# Allegro board DISCOVERY-F030_BOOSTPACK.brd (continued)
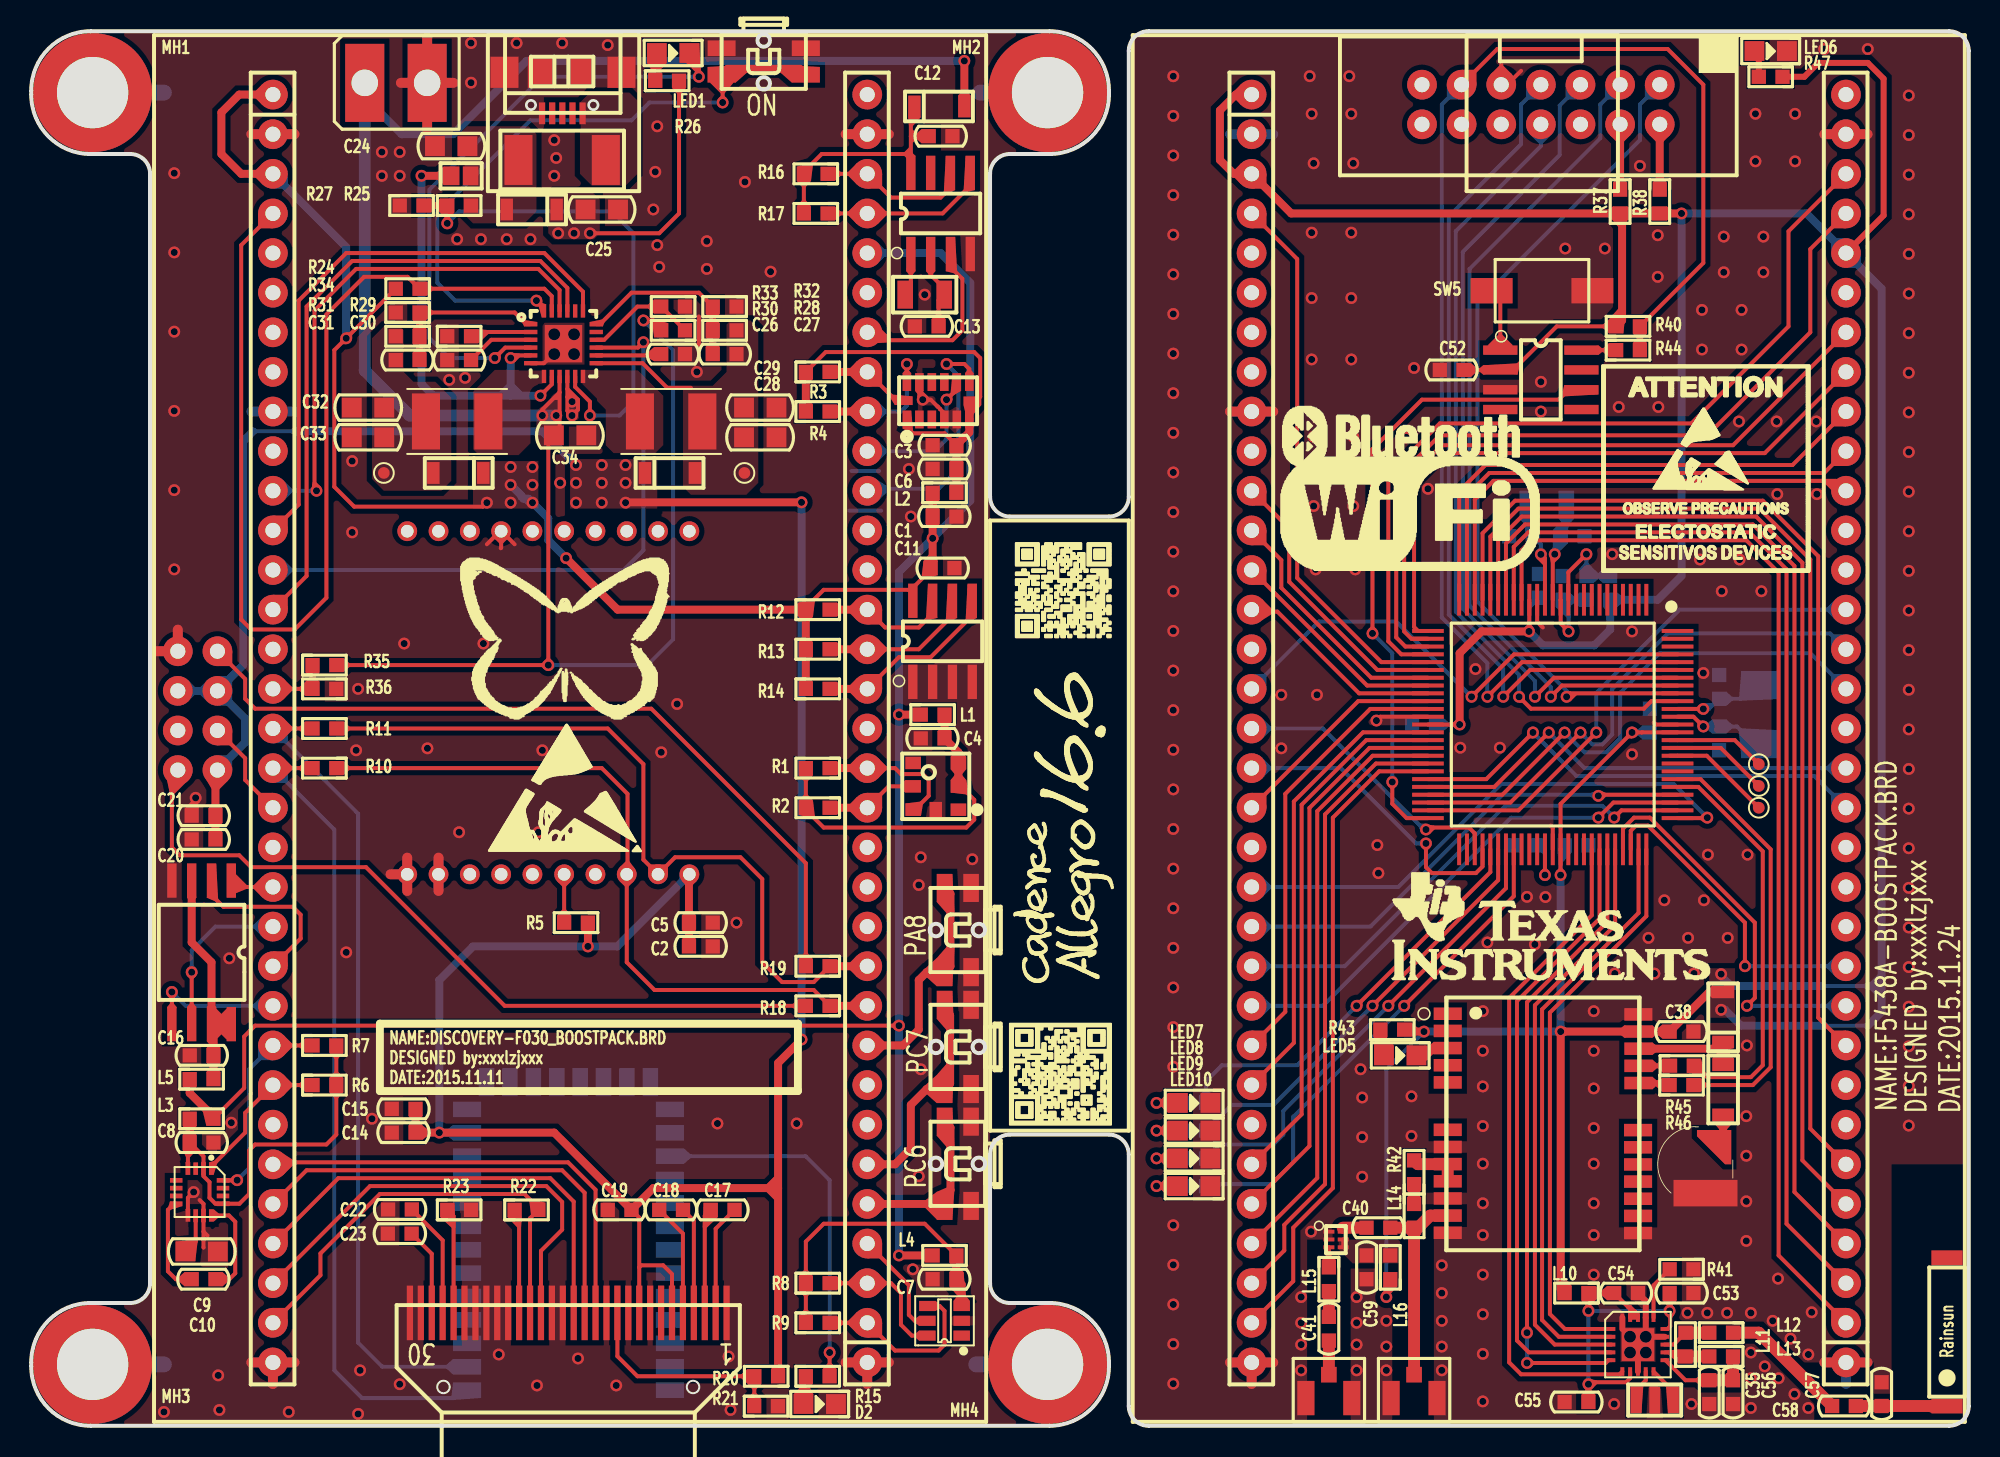
[diagram p0: board, top side]
## Routing (per net, layer and track width the routed paths; a pad name or vN(x,y) marks a point on that pad's centre or on a via; arc(x,y) is an arc through that point) (continued)
XOUT: length 6.6
  TOP w0.254: U14.14 97.04,55.62 96.78,55.87 v1(96.77,55.87)
  BOTTOM w0.254: v1(96.77,55.87) 96.77,56.52 C43.1 95.9,57.38 X3.1
N8541817: length 19.6
  TOP w0.254: L4.2 57.28,12.95 50.8,12.95 49.66,11.81 R8.2 R9.2
  TOP w0.508: L4.2 C7.1 59.65,9.06 U5.3
N8542009: length 28
  TOP w0.254: R3.2 50.93,68.83 60.45,68.83 60.83,68.45 60.83,65.97 60.58,65.72 U3.7 ; C3.2 58.55,63.63 56.52,63.63 56.13,64.01 U3.1
  TOP w0.508: R3.2 R4.2 ; U3.7 60.13,65.52 U3.6 60.13,63.69 C3.2 C6.1 L2.1
N8544982: length 2.8
  TOP w0.254: U9.1 56.39,72.88 X1.2
N8545002: length 5.1
  TOP w0.254: C13.2 58.17,72.16 X1.1 58.53,72.92 57.66,73.79 U9.2
N8545114: length 15.5
  TOP w0.254: 56.39,81.53 56.39,82.68 ; 56.39,81.53 50.67,81.53 49.53,80.39 R16.1 R17.1 ; 56.39,81.53 U9.8 ; 56.39,82.68 56.39,84.35 D1.2 ; 56.39,82.68 C12.1
N8545523: length 14.6
  TOP w0.508: U10.3 10.29,30.99 11.56,29.72 U10.7 ; U10.7 11.68,25.63 C16.2 L5.1 ; U10.7 12.83,25.75
N8546037: length 21.8
  TOP w0.254: R1.1 R2.1 49.66,39.5 50.8,38.35 59.94,38.35 60.45,38.86 60.45,40.13 59.59,41 U2.2
  TOP w0.508: U2.2 U2.3 59.44,43.18 C4.1 L1.1
N8546671: length 6.4
  TOP w0.254: U6.8 9.16,14.24 8.76,13.84 8.76,9.91 9.27,9.4 C10.2
N8546679: length 6.4
  TOP w0.254: U6.12 12.68,13.49 13.08,13.08 13.08,9.78 12.7,9.4 C10.1
N8546727: length 2.6
  TOP w0.254: C9.1 9.91,11.18 10.54,11.81 U6.10
N8546787: length 24.8
  TOP w0.254: R7.1 R6.1 19.56,18.67 18.92,18.03 14.35,18.03 13.97,17.65 13.97,14.86 13.35,14.24 U6.13 11.81,14.24 11.43,14.62 11.43,15.62 11.05,16.01 U6.2 11.05,17.28 C8.1 10.04,18.05 U6.4
  TOP w0.508: C8.1 L3.2
N8574671: length 7.2
  TOP w0.254: U13.16 36.73,69.62 38.86,71.75 R33.1 R30.2
N8574887: length 32.4
  TOP w0.254: U13.11 34.87,66.6 35.81,65.66 v1(35.81,64.77) ; v1(26.67,77.09) R25.2 R27.1
  BOTTOM w0.254: v1(26.67,77.09) 27.43,77.85 37.21,77.85 38.61,76.45 38.61,65.66 37.72,64.77 v1(35.81,64.77)
N8575029: length 4.4
  TOP w0.254: C30.2 29.49,69.62 U13.3
N8575065: length 3.9
  TOP w0.254: U13.2 28.47,70.12 R29.1
N8575169: length 28.5
  TOP w0.254: U13.8 33.37,66.77 v1(32.64,66.04) ; U13.5 30.9,68.62 v1(30.73,68.45)
  TOP w0.508: J1.2 v1(25.02,80.14)
  BOTTOM w0.508: v1(30.73,68.45) 30.73,66.04 ; 30.73,66.04 v1(32.64,66.04) ; 30.73,66.04 25.78,66.04 25.02,66.8 v1(25.02,80.14)
N8575189: length 11.7
  TOP w0.254: C27.1 R28.2 R32.1 42.8,72.64 38.48,72.64 36.46,70.62 U13.18
N8575237: length 38.9
  TOP w0.254: U13.4 30.39,69.12 v1(29.72,68.45) ; v1(42.8,86.49) 42.8,87.4 LED1.2
  BOTTOM w0.254: v1(42.8,86.49) 32.77,86.49 25.53,79.25 25.53,69.72 26.8,68.45 v1(29.72,68.45)
N8575265: length 1.8
  TOP w0.254: LED1.1 40,87.91 R26.2
N8575479: length 40.9
  TOP w0.254: v1(32.38,72.14) 32.87,71.65 U13.24 ; SW4.2 44.32,86.55 v1(44.32,84.84)
  TOP w0.508: SW4.2 44.64,87 49.28,87 SW4.1
  BOTTOM w0.254: v1(32.38,72.14) 27.18,72.14 26.04,73.28 26.04,77.72 32,83.69 38.48,83.69 39.62,84.84 v1(44.32,84.84)
N8575699: length 6.7
  TOP w0.254: U13.13 39.19,68.12 40.77,66.55 42.29,66.55
N8575711: length 10.5
  TOP w0.254: U13.1 31.74,70.62 30.99,71.37 R34.1 R31.2 C31.1
N8575985: length 4.2
  TOP w0.254: C26.2 40.3,68.62 U13.14
N8643747: length 3.1
  TOP w0.254: U4.5 R5.1
N8643947: length 23.5
  TOP w0.254: v1(51.18,4.7) R15.1
  BOTTOM w0.254: v1(51.18,4.7) 51.18,15.75 49.64,17.29 U7.24
N8644147: length 1.8
  TOP w0.254: R15.2 49.66,1.55 D2.1
N8647187: length 7.1
  TOP w0.254: C17.1 43.88,12.64 U11.2
N8647191: length 6.8
  TOP w0.254: C17.2 43.18,13.46 U11.3
N8647195: length 6.9
  TOP w0.254: U11.4 42.48,13.15 C18.1
N8647199: length 7.2
  TOP w0.254: U11.5 41.78,12.32 C18.2
N8647463: length 7.4
  TOP w0.254: C22.2 26.38,11.89 U11.27
N8647467: length 5.6
  TOP w0.254: C23.2 25.68,11.03 U11.28
N8651735: length 6.8
  TOP w0.254: U11.26 27.08,13.44 R23.2
N8655683: length 6.7
  TOP w0.254: R22.2 31.28,13.55 U11.20
N10945329: length 3.8
  TOP w0.254: U14.62 v1(97.04,35.31)
  BOTTOM w0.254: v1(97.04,35.31) 97.04,36.69 C45.1
N10946051: length 6.3
  TOP w0.254: U14.11 98.54,54.72 v1(99.7,55.88)
  BOTTOM w0.254: v1(99.7,55.88) C46.2 L8.2
N10946055: length 6
  TOP w0.254: v1(98.55,50.93) 98.04,51.44 98.04,52.95 U14.12
  BOTTOM w0.254: 99.7,52.96 98.17,52.96 98.55,52.58 v1(98.55,50.93)
N10961869: length 25.2
  TOP w0.254: 103,6.99 103,7.11 102.77,7.34 ; 103,6.98 U17.18 102.56,6.93 ; 103,6.99 102.37,7.61 ; 103,6.98 102.81,7.18 ; v1(99.82,7.37) L10.2 C54.2 102.37,7.61 ; 102.81,7.18 102.7,7.28 ; 102.81,7.18 102.56,6.93 ; 102.7,7.28 102.77,7.34 ; 102.7,7.28 102.5,7.07 ; 102.37,7.61 102.5,7.61 ; 102.5,7.61 102.77,7.34 ; 102.5,7.61 102.5,7.07 ; C55.1 v1(99.82,2.67) 99.95,2.79 102.23,2.79 102.5,3.06 U17.7 ; 102.56,6.93 U17.19 102.5,7.07 ; C53.1 v1(105.03,7.37) 105.07,7.33 105.07,6.39 104.89,6.21 U17.15
  BOTTOM w0.254: v1(105.03,7.37) v1(99.82,7.37) v1(99.82,2.67)
N10962053: length 3.5
  TOP w0.254: R41.1 104,9 U17.16
N10962111: length 2.1
  TOP w0.254: X4.1 102.87,2.29 103.5,2.91 U17.9
N10962119: length 2.4
  TOP w0.254: U17.10 105.27,2.21 X4.3
N10962271: length 3.2
  TOP w0.254: L11.1 105.28,5.21 U17.13
  TOP w0.762: L12.1 L11.1
N10962295: length 3
  TOP w0.254: U17.12 105.78,4.71 L11.2
  TOP w0.762: L13.1 L11.2
N10962327: length 6.4
  TOP w0.254: U17.11 104.76,4.21 106.05,2.92 C35.1
  TOP w0.762: C35.1 C56.1 L13.2
N10962419: length 9.2
  TOP w0.254: C58.1 118.59,1.24 ; 118.59,1.24 118.56,1.27 ; 118.59,1.24 121.82,1.24
  TOP w0.762: ANT1.1 122.78,1.24 121.82,1.24 121.79,1.27 C58.1 C57.2
N10963444: length 3.4
  TOP w0.762: U18.9 U18.8 88.89,16.78 R42.1
N10963506: length 13.4
  TOP w0.762: U18.11 89.68,13.48 88.9,12.7 L14.1 ; C40.1 L14.1 ; L14.1 IPX1.1
N10963546: length 1.8
  TOP w0.254: 84.07,12.7 84.1,12.67 U19.6
  TOP w0.762: 84.07,12.7 C40.2
N10963554: length 0.5
  TOP w0.254: U19.5 U19.4
N10963670: length 7.5
  TOP w0.508: 108.02,24.18 U18.22 ; 108.02,24.18 D6.2 108.46,24.13 ; 108.02,24.18 108.41,24.18 108.46,24.13 ; 108.46,24.13 D7.2
N10963682: length 2
  TOP w0.254: R45.2 105.04,23.08 U18.21
N10963868: length 2.2
  TOP w0.254: LED5.2 89.27,24.22 U18.3
N10968156: length 2.1
  TOP w0.254: R46.2 104.9,21.98 U18.20
N109599680: length 4.2
  TOP w0.254: U16.1 94.17,72.52 93.92,72.77 SW5.2
N109599687: length 2.2
  TOP w0.254: U16.8 R44.2
N109622631: length 8.3
  TOP w0.762: L12.2 110.74,5.97 C57.1
N109634042: length 1.3
  TOP w0.254: U19.3 L15.2
N109634201: length 1.3
  TOP w0.762: L14.2 R42.2
N109635940: length 1.7
  TOP w0.762: C41.2 L15.1
N109636420: length 2.2
  TOP w0.762: C41.1 IPX2.1
N109638440: length 1.7
  TOP w0.508: R43.1 86.49,23.98 LED5.1
N109768750: length 1.8
  TOP w0.381: LED6.1 110.74,87.86 R47.1
N109769940: length 3
  TOP w0.254: v1(72.14,20.7) LED7.1
  BOTTOM w0.254: R48.1 v1(72.14,20.7)
N109770480: length 3
  TOP w0.254: LED8.1 v1(72.14,18.92)
  BOTTOM w0.254: v1(72.14,18.92) R49.1
N109771830: length 3
  TOP w0.254: v1(72.14,17.14) LED9.1
  BOTTOM w0.254: R50.1 v1(72.14,17.14)
N109771990: length 3
  TOP w0.254: LED10.1 v1(72.14,15.37)
  BOTTOM w0.254: v1(72.14,15.37) R51.1
N1093742411: length 4.2
  TOP w0.508: JP1.4 R37.2
N1093742412: length 4.2
  TOP w0.508: JP1.2 R38.2

## Copper pours and planes (outline as drawn; the poured copper is in the pictures)
GND on TOP: 65.28,89.41 3.81,89.41 3.81,81.53 6.86,81.53 7.62,80.77 7.62,8.76 6.73,7.87 3.81,7.87 3.81,0 65.28,0 65.28,7.87 62.23,7.87 61.47,8.64 61.47,80.64 62.36,81.53 65.28,81.53 ; 48 cut-outs
GND on TOP: 70.61,0.25 70.61,89.15 123.95,89.15 123.95,16.76 119.25,16.76 119.25,2.03 123.06,2.03 123.06,0.25 120.65,0.25 120.65,0.76 114.66,0.76 114.66,1.52 114.3,1.52 114.3,0.25 89.92,0.25 89.92,12.7 87.25,12.7 87.25,0.25 84.58,0.25 84.58,10.16 82.93,10.16 82.93,11.94 81.79,11.94 81.79,0.25 ; 47 cut-outs
GND on BOTTOM: 70.61,0.25 70.61,89.15 123.95,89.15 123.95,16.76 119.25,16.76 119.25,0.25 89.92,0.25 89.92,12.7 87.25,12.7 87.25,0.25 84.58,0.25 84.58,11.94 81.79,11.94 81.79,0.25 ; 23 cut-outs
GND on BOTTOM: 3.81,89.41 65.28,89.41 65.28,81.53 62.36,81.53 61.47,80.64 61.47,8.64 62.23,7.87 65.28,7.87 65.28,0 3.81,0 3.81,7.87 6.73,7.87 7.62,8.76 7.62,80.77 6.86,81.53 3.81,81.53 ; 33 cut-outs
VBUS on TOP: 31.88,83.31 27.94,83.31 27.3,82.68 27.3,81.41 27.69,81.03 27.69,77.72 28.32,77.09 31.62,77.09 32.38,77.85 32.38,82.8
VCC2_3V3 on TOP (solid shape): 12.61,41.36 11.99,40.74 11.78,40.67 11.59,40.79 11.23,41.41 11.95,42.1
VCC2_3V3 on TOP: 40.13,61.98 40.13,58.8 34.54,58.8 34.54,61.98
VCC2_3V3 on BOTTOM: 34.54,61.98 34.54,58.8 38.86,58.8 38.86,61.98
VCC_3V3 on TOP (solid shape): 95.3,68.12 95.39,68.08 95.42,67.99 95.27,67.39 94.05,67.66 93.07,67.99
VCC_3V3 on TOP, BOTTOM: 28.32,61.85 28.32,58.8 32.51,58.8 32.51,61.85
VCC_3V3 on TOP, BOTTOM: 107.57,29.34 107.57,26.16 109.22,26.16 109.22,29.34
VCC_BAT on TOP: 34.04,67.69 34.04,62.87 33.78,62.61 32.77,62.61 32.38,62.99 32.38,65.02 33.66,66.29 33.66,67.69
VCC_BKUP on TOP (solid shape): 108.98,16.76 108.58,16.76 106.78,18.56 106.78,18.96 108.98,18.96
AT24C512_SCL on TOP (solid shape): 59.08,53.02 59.35,51.79 58.79,51.52 58.68,51.54 58.63,51.64 58.76,53.99
AT24C512_SDA on TOP (solid shape): 60.35,53.02 60.62,51.79 60.06,51.52 59.95,51.54 59.9,51.64 60.03,53.99
AT24C512_WP on TOP (solid shape): 57.82,53.01 58.08,51.79 57.49,51.64 57.4,51.68 57.36,51.77 57.49,53.99
BT_TXD on BOTTOM (solid shape): 28.05,2.35 28.84,1.79 27.05,1.65 26.96,1.69 26.92,1.78 27.04,2.79
P1.6 on TOP (solid shape): 116.36,59.93 115.66,59.73 114.9,60.49 114.99,60.58 115.7,60.58
P4.7 on TOP (solid shape): 99.5,66.45 100.47,66.12 98.25,65.99 98.16,66.03 98.13,66.13 98.27,66.72
P5.2 on BOTTOM (solid shape): 112.12,44.59 110.9,43.67 109.62,42.79 109.46,44.59 109.49,44.68 109.59,44.72
P5.3 on BOTTOM (solid shape): 110.9,47.51 112.12,46.59 109.6,46.48 109.51,46.52 109.47,46.61 109.62,48.39
PA8 on TOP (solid shape): 58.61,29.08 58.05,28.18 57.2,28.94 57.16,29.08 57.2,29.23 58.05,29.98
PA8 on TOP (solid shape): 58.78,30.82 59.04,30.84 59.18,30.62 59.05,28.18 58.49,28.84 58.05,29.98
PA8 on TOP (solid shape): 59.18,32.94 59.04,32.73 58.78,32.75 58.05,33.58 58.49,34.73 59.05,35.38
PC6 on TOP (solid shape): 58.89,15.36 59.09,15.31 59.18,15.13 59.05,13.2 58.46,13.86 58.05,15
PC6 on TOP (solid shape): 59.18,17.96 59.04,17.74 58.78,17.76 58.05,18.6 58.49,19.74 59.05,20.4
PC7 on TOP (solid shape): 58.61,21.59 58.05,20.69 57.2,21.44 57.16,21.59 57.2,21.74 58.05,22.49
PC7 on TOP (solid shape): 58.76,23.3 59.02,23.32 59.16,23.11 59.05,20.69 58.49,21.34 58.05,22.49
PC7 on TOP (solid shape): 59.16,25.47 59.02,25.26 58.76,25.28 58.05,26.09 58.49,27.24 59.05,27.89
PCF8563_INT on TOP (solid shape): 59.35,74 59.32,73.9 59.22,73.87 58.63,74.02 58.9,75.25 59.23,76.22
PCF8563_SCL on TOP (solid shape): 58.96,80.45 59.23,79.22 58.66,78.95 58.55,78.97 58.5,79.08 58.63,81.42
PCF8563_SDA on TOP (solid shape): 60.23,80.45 60.5,79.22 59.9,79.08 59.81,79.11 59.77,79.2 59.9,81.42
VMAX on TOP: 34.16,67.69 34.54,67.69 34.54,66.42 35.18,65.79 35.18,64.39 34.16,64.39
VMAX on TOP: 35.94,79.12 33.53,79.12 33.15,78.74 33.15,76.45 33.53,76.07 36.07,76.07 36.45,76.45 36.45,78.61
VMAX on BOTTOM: 33.15,75.31 33.15,76.58 33.53,76.96 37.34,76.96 38.23,76.07 38.23,66.42 37.59,65.79 35.18,65.79 35.18,64.39 34.16,64.39 34.16,66.93 34.42,67.18 36.58,67.18 37.08,67.69 37.08,71.37
W25QXX_SPI_MISO on TOP (solid shape): 11.98,33.74 11.94,33.64 11.83,33.61 11.26,33.85 11.53,35.08 11.86,36.05
N8545523 on TOP (solid shape): 11.94,24.46 11.82,24.26 11.59,24.24 11.26,24.65 11.53,26.01 11.86,26.85
N8546727 on TOP (solid shape): 10.54,11.94 10.63,11.9 10.67,11.81 10.52,10.54 9.86,11.15 9.25,11.81
N8575237 on TOP (solid shape): 42.93,86.74 42.85,86.63 42.72,86.64 41.74,87.62 42.18,88.04 42.82,88.65
N8575479 on TOP (solid shape): 45.8,87.25 46.01,87.11 45.99,86.85 45.16,86.11 44.01,86.55 43.36,87.11
N8575479 on TOP (solid shape): 50.56,87.11 49.9,86.55 48.76,86.11 47.92,86.85 47.9,87.11 48.12,87.25
N8575491 on TOP: 38.86,67.69 35.18,67.69 35.18,66.8 36.83,65.15 36.83,62.87 37.34,62.36 40,62.36 40.51,62.87 40.51,66.04
N8575511 on TOP: 33.02,67.69 29.72,67.69 28.32,66.29 28.32,62.61 28.7,62.23 31.24,62.23 32,62.99 32,66.29 32.51,66.8 33.02,66.8
N8575671 on TOP: 23.62,70.48 22.61,70.48 21.84,69.72 21.84,60.71 22.61,59.94 26.29,59.94 26.92,60.58 26.92,65.91 25.91,66.93 24.51,66.93 23.88,67.56 23.88,70.23
N8575699 on TOP: 46.1,70.87 44.83,70.87 44.58,70.61 44.58,67.56 43.69,66.67 42.04,66.67 41.78,66.42 41.78,60.2 42.29,59.69 45.85,59.69 46.61,60.45 46.61,70.36
N10962111 on TOP (solid shape): 103.2,2.76 103.3,2.73 103.35,2.64 103.22,0.8 102.83,1.53 102.52,2.5
N10962119 on TOP (solid shape): 104.79,2.56 104.83,2.65 104.93,2.69 105.62,2.5 105.32,1.53 104.92,0.8
N10963554 on TOP: 83.82,11.94 83.82,11.3 84.71,10.41 87.63,10.41 87.76,10.54 87.76,11.81 87.63,11.94
N85747750 on TOP: 38.35,85.47 35.81,85.47 35.18,84.84 35.18,80.26 35.94,79.5 38.1,79.5 38.86,80.26 38.86,84.96
GND on TOP (solid shape): 94.14,87.24 94.23,87.27 94.32,87.24 94.91,86.65 94.23,85.95 93.56,86.65
GND on TOP (solid shape): 10.46,40.26 10.58,40.28 10.66,40.2 10.74,39.57 10.28,39.09 9.83,39.57
VCC2_3V3 on TOP (solid shape): 47.94,15.49 47.94,14.99 47.7,14.43 47.06,15.06 46.99,15.24 47.06,15.42 47.7,16.05
VCC2_3V3 on BOTTOM (solid shape): 28,18.79 27.04,18.29 26.56,18.68 26.53,18.8 26.56,18.91 27.04,19.29
VCC2_3V3 on BOTTOM (solid shape): 10.57,47.3 10.64,47.12 10.57,46.94 10.07,46.44 9.33,47.12 10.07,47.79
VCC2_3V3 on BOTTOM (solid shape): 12,47.12 11.26,46.44 10.77,46.94 10.7,47.12 10.77,47.3 11.26,47.79
VCC_3V3 on TOP (solid shape): 103.09,25.28 102.12,24.88 101.74,25.19 101.73,25.28 101.74,25.36 102.12,25.68
VCC_3V3 on TOP (solid shape): 104.31,25.36 104.32,25.28 104.31,25.19 103.92,24.88 102.96,25.28 103.92,25.68
VCC_3V3 on TOP (solid shape): 50.1,53.03 50.2,53 50.24,52.91 50.11,51.87 49.64,52.3 49.2,52.78
VCC_3V3 on TOP (solid shape): 57.66,56 57.82,56.03 57.96,55.96 58.12,55.45 57.65,54.93 57.2,55.45
VCC_3V3 on TOP (solid shape): 57.68,55.02 58.12,54.53 57.22,54.28 57.12,54.31 57.07,54.41 57.2,55.45
VCC_3V3 on TOP (solid shape): 89.02,25.4 89.05,25.24 88.98,25.09 88.47,24.94 87.95,25.41 88.47,25.86
VCC_3V3 on TOP (solid shape): 102.31,77.27 102.16,76.76 102.02,76.68 101.86,76.72 101.4,77.27 101.84,77.79
VCC_3V3 on TOP (solid shape): 87.58,8.94 86.95,8.26 86.83,8.23 86.75,8.31 86.66,8.94 87.13,9.43
VCC_3V3 on TOP (solid shape): 15.56,85.34 14.82,84.67 14.33,85.16 14.25,85.34 14.33,85.52 14.82,86.02
VCC_3V3 on TOP (solid shape): 15.56,80.26 14.82,79.59 14.33,80.08 14.25,80.26 14.33,80.44 14.82,80.94
VCC_3V3 on TOP (solid shape): 78.3,85.34 77.56,84.67 77.06,85.16 76.99,85.34 77.06,85.52 77.56,86.02
VCC_3V3 on TOP (solid shape): 78.3,80.26 77.56,79.59 77.06,80.08 76.99,80.26 77.06,80.44 77.56,80.94
VCC_3V3 on TOP (solid shape): 10.97,20.27 11.06,20.46 11.26,20.52 12.14,20.14 11.72,19.63 11.23,19.23
VCC_3V3 on TOP (solid shape): 97.79,9.46 97.94,9.65 98.18,9.64 98.76,8.97 98.31,8.45 97.84,8.05
VCC_3V3 on TOP (solid shape): 101.84,71.73 102.09,71.75 102.23,71.54 102.06,70.03 101.58,70.43 101.14,70.94
VCC_3V3 on BOTTOM (solid shape): 98.76,36.75 98.12,36.06 98,36.04 97.92,36.12 97.84,36.75 98.31,37.24
VCC_3V3 on BOTTOM (solid shape): 54.76,75.36 54.84,75.18 54.76,75 54.27,74.51 53.53,75.18 54.27,75.86
VCC_3V3 on BOTTOM (solid shape): 118.68,28.45 118.68,27.94 118.44,27.38 117.8,28.01 117.73,28.19 117.8,28.37 118.44,29.01
VCC_BAT on TOP (solid shape): 39.8,70.82 39.85,70.91 39.95,70.94 40.84,70.69 40.41,70.21 39.93,69.77
VCC_BKUP on TOP (solid shape): 109.16,19.54 108.59,18.88 108.46,18.84 108.32,18.88 107.76,19.54 108.46,20
3455_HSON on BOTTOM (solid shape): 16.75,54.95 16.79,54.86 16.75,54.77 16.17,54.19 15.46,54.86 16.17,55.54
3455_PWRON on BOTTOM (solid shape): 16.75,60.03 16.79,59.94 16.75,59.85 16.17,59.27 15.46,59.94 16.17,60.62
AD7414_SCL on TOP (solid shape): 53.63,6.6 52.92,5.93 52.34,6.51 52.3,6.6 52.34,6.69 52.92,7.28
AD7414_SDA on TOP (solid shape): 53.63,9.14 52.92,8.47 52.34,9.05 52.3,9.14 52.34,9.23 52.92,9.82
AD7414_SDA on TOP (solid shape): 54.85,9.23 54.89,9.14 54.85,9.05 54.27,8.47 53.56,9.14 54.27,9.82
ADC_BAT on TOP (solid shape): 16.75,47.33 16.79,47.24 16.75,47.15 16.17,46.57 15.46,47.24 16.17,47.92
ADXL345_INT1 on BOTTOM (solid shape): 54.96,60.18 55.01,60.08 54.98,59.98 54.27,59.27 53.56,59.94 54.25,60.63
ADXL345_INT2 on BOTTOM (solid shape): 54.85,62.57 54.89,62.48 54.85,62.39 54.27,61.81 53.56,62.48 54.27,63.16
ADXL345_SCL on TOP (solid shape): 53.66,67.56 52.92,66.89 52.43,67.38 52.35,67.56 52.43,67.74 52.92,68.24
ADXL345_SDA on TOP (solid shape): 53.66,65.02 52.92,64.35 52.43,64.84 52.35,65.02 52.43,65.2 52.92,65.7
ADXL345_SDA on BOTTOM (solid shape): 54.85,65.11 54.89,65.02 54.85,64.93 54.27,64.35 53.56,65.02 54.27,65.7
AT24C512_SCL on TOP (solid shape): 54.85,49.87 54.89,49.78 54.85,49.69 54.27,49.11 53.56,49.78 54.27,50.46
AT24C512_SCL on TOP (solid shape): 53.66,49.78 52.92,49.11 52.43,49.6 52.35,49.78 52.43,49.96 52.92,50.46
AT24C512_SDA on TOP (solid shape): 53.66,47.24 52.92,46.57 52.43,47.06 52.35,47.24 52.43,47.42 52.92,47.92
AT24C512_WP on TOP (solid shape): 53.66,52.32 52.92,51.65 52.43,52.14 52.35,52.32 52.43,52.5 52.92,53
BMP180_SCL on TOP (solid shape): 53.66,39.62 52.92,38.95 52.43,39.44 52.35,39.62 52.43,39.8 52.92,40.3
BMP180_SDA on TOP (solid shape): 54.85,42.25 54.89,42.16 54.85,42.07 54.27,41.49 53.56,42.16 54.27,42.84
BMP180_SDA on TOP (solid shape): 57.04,40.02 57.13,39.99 57.17,39.9 57.04,39.1 56.51,39.48 56.04,39.9
BMP180_SDA on TOP (solid shape): 53.66,42.16 52.92,41.49 52.43,41.98 52.35,42.16 52.43,42.34 52.92,42.84
BT_RXD on TOP (solid shape): 16.75,44.79 16.79,44.7 16.75,44.61 16.17,44.03 15.46,44.7 16.17,45.38
BT_RXD on BOTTOM (solid shape): 27.97,3.79 27.04,3.29 26.57,3.71 26.54,3.79 26.57,3.86 27.04,4.29
BT_TXD on TOP (solid shape): 16.75,42.25 16.79,42.16 16.75,42.07 16.17,41.49 15.46,42.16 16.17,42.84
HMC5883L_SCL on TOP (solid shape): 16.75,21.93 16.79,21.84 16.75,21.75 16.17,21.17 15.46,21.84 16.17,22.52
HMC5883L_SDA on TOP (solid shape): 16.75,24.47 16.79,24.38 16.75,24.29 16.17,23.71 15.46,24.38 16.17,25.06
JTAG_TEST on BOTTOM (solid shape): 97.45,82.77 96.86,82.18 96.77,82.14 96.68,82.18 96.1,82.77 96.77,83.47
OLED_CS on TOP (solid shape): 16.86,17 16.91,16.9 16.88,16.8 16.17,16.09 15.46,16.76 16.15,17.45
OLED_D1 on TOP (solid shape): 31.93,14.43 31.97,14.52 32.07,14.55 32.97,14.3 32.53,13.82 32.05,13.39
P3.1 on TOP (solid shape): 79.62,52.29 79.65,52.18 79.6,52.09 78.88,51.63 78.2,52.33 78.91,53
P4.3 on BOTTOM (solid shape): 116.36,42.16 115.66,41.49 115.07,42.07 115.04,42.16 115.07,42.25 115.66,42.84
P4.6 on BOTTOM (solid shape): 116.36,52.32 115.66,51.65 115.07,52.23 115.04,52.32 115.07,52.41 115.66,53
P5.6 on BOTTOM (solid shape): 79.49,44.79 79.53,44.7 79.49,44.61 78.91,44.03 78.2,44.7 78.91,45.38
P5.7 on BOTTOM (solid shape): 79.49,42.25 79.53,42.16 79.49,42.07 78.91,41.49 78.2,42.16 78.91,42.84
P9.4 on BOTTOM (solid shape): 116.36,26.92 115.66,26.25 115.07,26.83 115.04,26.92 115.07,27.01 115.66,27.6
P9.5 on BOTTOM (solid shape): 116.36,29.46 115.66,28.79 115.07,29.37 115.04,29.46 115.07,29.55 115.66,30.14
P10.0 on BOTTOM (solid shape): 79.49,34.63 79.53,34.54 79.49,34.45 78.91,33.87 78.2,34.54 78.91,35.22
P10.1 on BOTTOM (solid shape): 79.49,29.55 79.53,29.46 79.49,29.37 78.91,28.79 78.2,29.46 78.91,30.14
P10.2 on BOTTOM (solid shape): 79.49,27.01 79.53,26.92 79.49,26.83 78.91,26.25 78.2,26.92 78.91,27.6
P10.3 on BOTTOM (solid shape): 79.49,32.09 79.53,32 79.49,31.91 78.91,31.33 78.2,32 78.91,32.68
P10.4 on TOP (solid shape): 107.29,22.65 107.26,22.55 107.16,22.5 106.12,22.63 106.55,23.11 107.04,23.55
PA8 on TOP (solid shape): 54.76,24.56 54.84,24.38 54.76,24.2 54.27,23.71 53.53,24.38 54.27,25.06
PC6 on TOP (solid shape): 58.61,14.09 58.05,13.23 57.2,14.09 57.16,14.24 57.22,14.39 58.05,15
PC6 on TOP (solid shape): 54.76,14.4 54.84,14.22 54.76,14.04 54.27,13.55 53.53,14.22 54.27,14.9
PC7 on TOP (solid shape): 54.76,16.94 54.84,16.76 54.76,16.58 54.27,16.09 53.53,16.76 54.27,17.44
PCF8563_INT on TOP (solid shape): 55.12,69.69 55.15,69.55 55.04,69.47 54.19,69.41 53.56,70.11 54.27,70.54
PCF8563_SCL on TOP (solid shape): 53.63,80.26 52.92,79.59 52.34,80.17 52.3,80.26 52.34,80.35 52.92,80.94
PCF8563_SDA on TOP (solid shape): 53.63,77.72 52.92,77.05 52.34,77.63 52.3,77.72 52.34,77.81 52.92,78.4
PCF8563_SDA on TOP (solid shape): 54.85,77.81 54.89,77.72 54.85,77.63 54.27,77.05 53.56,77.72 54.27,78.4
RF_RXD on TOP (solid shape): 53.66,26.92 52.92,26.25 52.43,26.74 52.35,26.92 52.43,27.1 52.92,27.6
RF_TXD on TOP (solid shape): 53.66,29.46 52.92,28.79 52.43,29.28 52.35,29.46 52.43,29.64 52.92,30.14
W25QXX_CS on TOP (solid shape): 15.53,34.54 14.82,33.87 14.24,34.45 14.2,34.54 14.24,34.63 14.82,35.22
W25QXX_CS on TOP (solid shape): 13.86,34.62 13.89,34.52 13.83,34.44 13.06,34.12 12.8,34.97 13.13,35.36
W25QXX_SPI_CLK on BOTTOM (solid shape): 15.53,32 14.82,31.33 14.24,31.91 14.2,32 14.24,32.09 14.82,32.68
W25QXX_SPI_MOSI on BOTTOM (solid shape): 15.53,26.92 14.82,26.25 14.24,26.83 14.2,26.92 14.24,27.01 14.82,27.6
WIFI_RXD on TOP (solid shape): 10.03,41.36 9.11,40.44 8.98,40.41 8.89,40.5 8.7,41.43 9.41,42.07
XIN on BOTTOM (solid shape): 98.91,58.16 98.48,57.68 98.41,57.66 98.33,57.68 97.91,58.16 98.41,59.09
XIN on BOTTOM (solid shape): 98.05,57.05 98.5,56.57 97.74,55.83 97.61,55.82 97.54,55.92 97.59,57.48
XIN on BOTTOM (solid shape): 98.33,58.22 98.46,58.23 98.53,58.12 98.5,56.57 98.03,56.99 97.59,57.48
XOUT on BOTTOM (solid shape): 96.4,58.16 95.98,57.68 95.9,57.66 95.83,57.68 95.4,58.16 95.9,59.09
XOUT on BOTTOM (solid shape): 95.78,58.12 95.85,58.23 95.98,58.22 96.72,57.48 96.28,56.99 95.81,56.57
N8541817 on TOP (solid shape): 59.9,8.38 59.76,8.17 59.5,8.19 58.85,8.94 59.29,9.46 59.77,9.86
N8542009 on TOP (solid shape): 60.91,65.44 60.28,64.71 60.09,64.67 59.93,64.77 59.76,65.44 60.35,65.78
N8545114 on TOP (solid shape): 49.97,80.97 50.07,80.94 50.11,80.85 49.99,79.81 49.51,80.24 49.07,80.72
N8545114 on TOP (solid shape): 57.02,83.88 56.47,83.28 56.35,83.26 56.27,83.34 56.22,83.88 56.62,84.61
N8545523 on TOP (solid shape): 12.71,25.89 12.75,25.75 12.71,25.62 11.86,24.76 11.49,25.75 11.86,26.75
N8545523 on TOP (solid shape): 12.89,25.75 12.53,24.76 11.68,25.62 11.64,25.75 11.68,25.89 12.53,26.75
N8546037 on TOP (solid shape): 50.24,39.04 50.2,38.94 50.1,38.91 49.2,39.17 49.64,39.65 50.11,40.08
N8546037 on TOP (solid shape): 60.11,40.61 60.08,40.51 59.99,40.47 58.94,40.6 59.41,41.02 59.94,41.4
N8575065 on TOP (solid shape): 29.29,70.25 29.38,70.16 29.35,70.04 28.65,69.39 28.16,69.84 28.65,70.31
N8575169 on TOP (solid shape): 27.01,80.14 26.45,79.54 25.88,80.01 25.85,80.14 25.88,80.26 26.45,80.74
N8575169 on BOTTOM (solid shape): 30.55,66.85 30.73,66.93 30.91,66.85 31.55,66.22 30.99,65.98 30.48,65.98 29.92,66.22
N8575265 on TOP (solid shape): 40.74,87.38 40.09,86.67 39.99,86.64 39.91,86.68 39.47,87.38 40.11,88.04
N8575479 on TOP (solid shape): 45.04,86.13 44.41,85.39 44.33,85.35 44.24,85.38 43.51,86.11 44.26,86.65
N8643947 on BOTTOM (solid shape): 42.31,17.36 42.34,17.29 42.31,17.21 41.84,16.79 40.91,17.29 41.84,17.79
N8644147 on TOP (solid shape): 49.58,2.77 49.67,2.79 49.76,2.74 50.14,2.03 49.5,1.37 48.87,2.03
N8647191 on TOP (solid shape): 43.57,13.87 44.02,13.39 43.25,12.65 43.12,12.64 43.05,12.74 43.1,14.3
N8651735 on TOP (solid shape): 27.2,12.75 27.13,12.64 27,12.65 26.21,13.39 26.66,13.87 27.13,14.3
N8655683 on TOP (solid shape): 31.45,13.39 31.4,12.73 31.32,12.65 31.2,12.67 30.53,13.39 30.98,13.87
N10946055 on BOTTOM (solid shape): 98.68,51.86 98.61,51.75 98.48,51.77 97.71,52.5 98.16,52.99 98.63,53.42
N10962295 on TOP (solid shape): 106.08,4.44 105.59,3.99 104.9,4.63 104.87,4.74 104.96,4.83 105.59,4.9
N10963670 on TOP (solid shape): 104.31,24.26 104.32,24.18 104.31,24.09 103.92,23.78 102.96,24.18 103.92,24.58
N10963670 on TOP (solid shape): 108.32,24.2 108.46,24.24 108.59,24.2 109.16,23.54 108.46,23.08 107.76,23.54
N10963670 on TOP (solid shape): 108.5,24.66 109.16,24.21 108.03,23.92 107.88,23.97 107.78,24.09 107.77,24.89
N10963682 on TOP (solid shape): 104.3,23.15 104.32,23.08 104.3,23 103.92,22.68 102.99,23.08 103.92,23.48
N10963868 on TOP (solid shape): 90.84,24.22 89.91,23.82 89.53,24.14 89.51,24.22 89.53,24.29 89.91,24.62
N10963868 on TOP (solid shape): 90.09,24.34 90.19,24.26 90.17,24.14 89.43,23.4 88.77,23.74 89.31,24.37
N10968156 on TOP (solid shape): 104.3,22.05 104.32,21.98 104.3,21.9 103.92,21.58 102.99,21.98 103.92,22.38
N109599680 on TOP (solid shape): 94.1,70 94.17,70.02 94.25,70 94.99,69.26 94.17,68.93 93.36,69.26
N109638440 on TOP (solid shape): 86.28,25.13 86.44,25.24 86.63,25.2 87.35,24.38 86.73,23.69 86.08,24.38
N109769940 on TOP (solid shape): 73.54,20.7 72.87,20.07 72.27,20.62 72.24,20.7 72.27,20.78 72.87,21.34
N109770480 on TOP (solid shape): 73.54,18.92 72.87,18.29 72.27,18.84 72.24,18.92 72.27,19 72.87,19.56
N109771830 on TOP (solid shape): 73.54,17.15 72.87,16.51 72.27,17.07 72.24,17.15 72.27,17.22 72.87,17.78
N109771990 on TOP (solid shape): 73.54,15.37 72.87,14.73 72.27,15.29 72.24,15.37 72.27,15.45 72.87,16
N1093742411 on TOP (solid shape): 102.53,82.77 102.03,82.27 101.85,82.2 101.67,82.27 101.18,82.77 101.85,83.5
N1093742412 on TOP (solid shape): 105.07,82.77 104.57,82.27 104.39,82.2 104.21,82.27 103.72,82.77 104.39,83.5

Small or netless copper shapes (teardrops, artwork), in the pictures only: 309 on TOP, 105 on BOTTOM

## Text on the board
Ref Des/Silkscreen Top: NAME:DISCOVERY-F030_BOOSTPACK.BRD | DESIGNED by:xxxlzjxxx | DATE:2015.11.11 | ON | PA8 | PC6 | PC7 | NAME:F5438A-BOOSTPACK.BRD | DATE:2015.11.24
DIMENSION: FIGURE | SIZE | 18.0 | 30.0 | 32.0 | 38.0 | 66.929 | 180.0 | DRILL CHART: TOP to BOTTOM | ALL UNITS ARE IN MILS | PLATED | QTY | 388 | 8 | 20 | 154 | 2 | 4
